# KiCad board haptic display 8x8 aisler.kicad_pcb (continued)
## Routing (per net, layer and track width the routed paths; a pad name or vN(x,y) marks a point on that pad's centre or on a via; arc(x,y) is an arc through that point) (continued)
col7: length 7424.1
  Front w0.15: 109.59,123.98 109.63,123.97 110,123.6 110,123.55 109.79,123.56 109.59,123.6 109.39,123.67 109.2,123.76 109.03,123.88 108.88,124.03 108.75,124.19 108.64,124.38 108.56,124.58 108.51,124.79 108.49,125 108.5,125.22 108.54,125.43 108.61,125.64 108.71,125.83 108.84,126.01 108.99,126.17 109.16,126.31 109.35,126.42 109.56,126.5 109.78,126.55 110,126.58 110.22,126.56 110.45,126.52 110.66,126.45 110.86,126.34 111.05,126.21 111.22,126.05 111.36,125.87 111.47,125.67 111.56,125.46 111.62,125.23 111.64,125 111.63,124.77 111.58,124.54 111.51,124.31 111.4,124.1 111.26,123.91 111.09,123.74 110.91,123.59 110.7,123.47 110.48,123.38 110.24,123.32 110,123.3 109.78,123.31 109.56,123.35 109.34,123.41 109.14,123.51 108.95,123.63 108.78,123.78 108.62,123.94 108.49,124.13 108.39,124.33 108.31,124.55 108.26,124.77 108.24,125 108.25,125.23 108.29,125.46 108.36,125.68 108.46,125.89 108.58,126.09 108.73,126.27 108.9,126.43 109.1,126.56 109.31,126.67 109.53,126.75 109.76,126.8 110,126.83 110.24,126.81 110.48,126.77 110.7,126.7 110.92,126.6 111.13,126.47 111.31,126.31 111.48,126.13 111.62,125.93 111.73,125.72 111.81,125.49 111.87,125.25 111.89,125 111.88,124.75 111.83,124.51 111.76,124.27 111.65,124.05 111.52,123.84 111.36,123.64 111.17,123.47 110.96,123.33 110.74,123.21 110.5,123.13 110.25,123.07 110,123.05 109.76,123.06 109.53,123.1 109.3,123.16 109.08,123.26 108.88,123.38 108.69,123.52 108.52,123.68 108.36,123.87 108.24,124.07 108.13,124.29 108.06,124.52 108.01,124.76 107.99,125 108,125.24 108.04,125.48 108.1,125.72 108.2,125.94 108.32,126.16 108.47,126.35 108.64,126.53 108.83,126.69 109.04,126.82 109.27,126.93 109.51,127.01 109.75,127.06 110,127.08 110.25,127.06 110.5,127.02 110.74,126.95 110.97,126.85 111.19,126.73 111.4,126.57 111.58,126.4 111.74,126.2 111.88,125.98 111.99,125.75 112.07,125.51 112.12,125.26 112.14,125 112.13,124.74 112.08,124.49 112.01,124.24 111.91,124 111.78,123.77 111.62,123.56 111.44,123.37 111.24,123.21 111.01,123.07 110.78,122.96 110.52,122.87 110.26,122.82 110,122.8 109.75,122.81 109.51,122.85 109.27,122.91 109.04,123 108.82,123.12 108.61,123.26 108.42,123.42 108.25,123.61 108.1,123.81 107.98,124.03 107.88,124.26 107.8,124.5 107.76,124.75 107.74,125 107.75,125.25 107.79,125.51 107.85,125.75 107.95,125.99 108.07,126.22 108.21,126.43 108.38,126.62 108.57,126.8 108.77,126.95 109,127.08 109.24,127.18 109.48,127.26 109.74,127.31 110,127.33 110.26,127.31 110.52,127.28 110.77,127.21 111.02,127.11 111.25,126.99 111.47,126.84 111.67,126.67 111.85,126.47 112,126.26 112.13,126.03 112.24,125.78 112.32,125.53 112.37,125.27 112.39,125 112.38,124.73 112.34,124.47 112.27,124.21 112.17,123.96 112.04,123.72 111.89,123.49 111.71,123.29 111.51,123.11 111.29,122.94 111.06,122.81 110.8,122.7 110.54,122.62 110.27,122.57 110,122.55 109.74,122.56 109.49,122.6 109.24,122.66 109,122.75 108.76,122.86 108.55,123 108.34,123.16 108.15,123.34 107.99,123.54 107.84,123.75 107.72,123.98 107.62,124.23 107.55,124.48 107.51,124.74 107.49,125 107.5,125.26 107.53,125.52 107.6,125.78 107.69,126.03 107.81,126.27 107.95,126.49 108.11,126.7 108.3,126.89 108.5,127.06 108.72,127.21 108.96,127.34 109.21,127.44 109.47,127.51 109.73,127.56 110,127.58 110.27,127.57 110.54,127.53 110.8,127.46 111.05,127.37 111.3,127.25 111.53,127.1 111.74,126.94 111.94,126.75 112.11,126.54 112.27,126.31 112.39,126.07 112.5,125.81 112.57,125.55 112.62,125.28 112.64,125 112.63,124.72 112.59,124.45 112.52,124.18 112.42,123.92 112.3,123.67 112.15,123.44 111.98,123.22 111.79,123.02 111.57,122.84 111.34,122.68 111.09,122.55 110.83,122.44 110.56,122.37 110.28,122.32 110,122.3 109.73,122.31 109.47,122.34 109.21,122.41 108.96,122.49 108.72,122.6 108.49,122.74 108.27,122.89 108.07,123.07 107.89,123.26 107.72,123.48 107.58,123.71 107.46,123.95 107.37,124.2 107.3,124.46 107.25,124.73 107.24,125 107.25,125.27 107.28,125.54 107.35,125.81 107.43,126.06 107.55,126.31 107.68,126.55 107.84,126.77 108.02,126.98 108.23,127.16 108.44,127.33 108.68,127.47 108.92,127.6 109.18,127.69 109.45,127.76 109.72,127.81 110,127.83 110.28,127.82 110.55,127.78 110.82,127.71 111.09,127.62 111.34,127.51 111.58,127.37 111.81,127.2 112.02,127.02 112.21,126.81 112.38,126.59 112.53,126.35 112.65,126.1 112.75,125.83 112.82,125.56 112.87,125.28 112.89,125 112.88,124.72 112.84,124.44 112.77,124.16 112.68,123.89 112.56,123.63 112.42,123.38 112.25,123.15 112.06,122.94 111.85,122.74 111.63,122.57 111.38,122.42 111.12,122.29 110.85,122.19 110.57,122.11 110.29,122.07 110,122.05 109.73,122.06 109.46,122.09 109.19,122.15 108.93,122.24 108.68,122.34 108.44,122.47 108.21,122.63 107.99,122.8 107.8,122.99 107.62,123.2 107.46,123.43 107.32,123.67 107.2,123.92 107.11,124.18 107.05,124.45 107,124.72 106.99,125 107,125.28 107.03,125.55 107.09,125.83 107.18,126.09 107.29,126.35 107.42,126.6 107.58,126.83 107.75,127.05 107.95,127.25 108.16,127.43 108.39,127.6 108.64,127.74 108.89,127.85 109.16,127.95 109.44,128.02 109.72,128.06 110,128.07 110.28,128.07 110.57,128.03 110.84,127.97 111.12,127.88 111.38,127.77 111.63,127.63 111.87,127.47 112.09,127.29 112.3,127.09 112.48,126.88 112.65,126.64 112.79,126.39 112.91,126.13 113.01,125.86 113.08,125.58 113.12,125.29 113.14,125 113.13,124.71 113.09,124.42 113.03,124.14 112.94,123.86 112.83,123.59 112.69,123.34 112.52,123.09 112.34,122.87 112.14,122.66 111.91,122.47 111.67,122.3 111.42,122.15 111.15,122.03 110.87,121.93 110.59,121.86 110.29,121.82 110,121.8 109.72,121.81 109.44,121.84 109.17,121.9 108.9,121.98 108.64,122.08 108.39,122.21 108.15,122.36 107.93,122.53 107.72,122.72 107.52,122.92 107.35,123.14 107.19,123.38 107.06,123.63 106.95,123.89 106.86,124.16 106.79,124.43 106.75,124.72 106.74,125 106.75,125.28 106.78,125.57 106.84,125.85 106.92,126.12 107.03,126.39 107.16,126.64 107.31,126.89 107.48,127.11 107.67,127.33 107.88,127.53 108.11,127.7 108.35,127.86 108.6,128 108.87,128.11 109.14,128.2 109.42,128.27 109.71,128.31 110,128.32 110.29,128.32 110.58,128.28 110.86,128.22 111.14,128.14 111.41,128.03 111.67,127.9 111.92,127.74 112.16,127.57 112.37,127.37 112.57,127.16 112.75,126.93 112.92,126.68 113.05,126.42 113.17,126.15 113.26,125.87 113.33,125.59 113.37,125.29 113.39,125 113.38,124.7 113.34,124.41 113.28,124.12 113.2,123.84 113.09,123.56 112.95,123.3 112.79,123.04 112.62,122.8 112.42,122.58 112.2,122.38 111.96,122.19 111.71,122.03 111.45,121.89 111.18,121.77 110.89,121.68 110.6,121.61 110.3,121.57 110,121.55 109.71,121.56 109.43,121.59 109.15,121.65 108.88,121.72 108.61,121.83 108.35,121.95 108.1,122.09 107.86,122.26 107.64,122.44 107.44,122.64 107.25,122.86 107.08,123.09 106.93,123.34 106.8,123.6 106.69,123.86 106.6,124.14 106.54,124.42 106.5,124.71 106.49,125 106.5,125.29 106.53,125.58 106.59,125.86 106.67,126.14 106.77,126.42 106.89,126.68 107.04,126.93 107.21,127.17 107.39,127.4 107.6,127.61 107.82,127.8 108.06,127.97 108.31,128.13 108.57,128.26 108.84,128.37 109.12,128.46 109.41,128.52 109.71,128.56 110,128.57 110.3,128.57 110.59,128.53 110.88,128.48 111.17,128.39 111.44,128.29 111.71,128.16 111.97,128.01 112.21,127.84 112.44,127.65 112.65,127.44 112.85,127.22 113.03,126.98 113.18,126.72 113.32,126.45 113.43,126.18 113.52,125.89 113.58,125.6 113.62,125.3 113.64,125 113.63,124.7 113.59,124.4 113.54,124.1 113.45,123.81 113.35,123.53 113.22,123.26 113.06,123 112.89,122.75 112.7,122.52 112.49,122.3 112.26,122.1 112.01,121.92 111.75,121.76 111.48,121.63 111.2,121.51 110.91,121.42 110.61,121.36 110.31,121.32 110,121.3 109.71,121.31 109.42,121.34 109.13,121.39 108.85,121.47 108.58,121.57 108.31,121.69 108.06,121.83 107.81,121.99 107.58,122.17 107.36,122.36 107.16,122.57 106.98,122.8 106.81,123.05 106.66,123.3 106.54,123.57 106.43,123.84 106.35,124.12 106.29,124.41 106.25,124.71 106.24,125 106.25,125.3 106.28,125.59 106.33,125.88 106.41,126.17 106.51,126.45 106.63,126.72 106.77,126.98 106.94,127.23 107.12,127.46 107.32,127.68 107.53,127.89 107.77,128.07 108.01,128.24 108.27,128.39 108.54,128.52 108.82,128.63 109.11,128.71 109.4,128.77 109.7,128.81 110,128.82 110.3,128.82 110.6,128.78 110.9,128.73 111.19,128.65 111.47,128.55 111.75,128.42 112.01,128.28 112.26,128.11 112.5,127.93 112.73,127.73 112.93,127.51 113.12,127.27 113.3,127.02 113.45,126.76 113.58,126.48 113.69,126.2 113.77,125.91 113.83,125.61 113.87,125.3 113.89,125 113.88,124.69 113.85,124.39 113.79,124.09 113.71,123.79 113.61,123.51 113.48,123.23 113.33,122.96 113.17,122.7 112.98,122.46 112.77,122.23 112.55,122.02 112.31,121.82 112.05,121.65 111.78,121.5 111.51,121.37 111.22,121.26 110.92,121.17 110.62,121.1 110.31,121.07 110,121.05 109.7,121.06 109.41,121.09 109.12,121.14 108.83,121.21 108.55,121.31 108.28,121.43 108.01,121.56 107.76,121.72 107.52,121.89 107.29,122.08 107.08,122.29 106.88,122.51 106.7,122.75 106.54,123 106.4,123.27 106.28,123.54 106.18,123.82 106.1,124.11 106.04,124.4 106,124.7 105.99,125 106,125.3 106.03,125.6 106.08,125.89 106.15,126.19 106.25,126.47 106.37,126.75 106.51,127.02 106.67,127.27 106.84,127.52 107.04,127.75 107.25,127.97 107.48,128.17 107.72,128.35 107.97,128.51 108.24,128.66 108.52,128.78 108.8,128.88 109.1,128.96 109.39,129.02 109.7,129.06 110,129.07 110.3,129.07 110.61,129.04 110.91,128.98 111.2,128.91 111.49,128.81 111.78,128.69 112.05,128.55 112.31,128.39 112.56,128.21 112.79,128.01 113.01,127.79 113.21,127.56 113.4,127.32 113.57,127.06 113.71,126.79 113.84,126.51 113.94,126.22 114.03,125.92 114.09,125.62 114.12,125.31 114.14,125 114.13,124.69 114.1,124.38 114.04,124.08 113.97,123.78 113.87,123.48 113.74,123.2 113.6,122.92 113.44,122.66 113.26,122.4 113.05,122.17 112.84,121.94 112.6,121.74 112.35,121.55 112.09,121.38 111.81,121.23 111.53,121.1 111.23,121 110.93,120.91 110.63,120.85 110.31,120.81 110,120.8 109.7,120.81 109.4,120.84 109.11,120.89 108.81,120.96 108.53,121.05 108.25,121.16 107.98,121.3 107.72,121.45 107.47,121.62 107.23,121.8 107.01,122.01 106.8,122.23 106.61,122.46 106.43,122.71 106.28,122.97 106.14,123.24 106.02,123.52 105.92,123.8 105.84,124.1 105.79,124.39 105.75,124.7 105.74,125 105.75,125.3 105.78,125.61 105.83,125.91 105.9,126.2 105.99,126.49 106.11,126.78 106.24,127.05 106.4,127.32 106.57,127.57 106.76,127.81 106.96,128.04 107.19,128.25 107.42,128.44 107.67,128.62 107.94,128.78 108.21,128.92 108.49,129.04 108.78,129.14 109.08,129.22 109.39,129.28 109.69,129.31 110,129.32 110.31,129.32 110.62,129.29 110.92,129.23 111.22,129.16 111.52,129.07 111.8,128.95 112.08,128.81 112.35,128.66 112.61,128.48 112.85,128.29 113.08,128.08 113.29,127.85 113.49,127.61 113.67,127.36 113.83,127.09 113.98,126.82 114.1,126.53 114.2,126.23 114.28,125.93 114.34,125.62 114.37,125.31 114.39,125 114.38,124.69 114.35,124.37 114.3,124.07 114.22,123.76 114.12,123.46 114.01,123.17 113.87,122.89 113.71,122.62 113.53,122.36 113.34,122.11 113.12,121.88 112.9,121.66 112.65,121.46 112.39,121.28 112.12,121.11 111.84,120.97 111.55,120.84 111.25,120.74 110.94,120.66 110.63,120.6 110.32,120.56 110,120.55 109.05,120.55 ; 109.59,108.98 109.63,108.97 110,108.6 110,108.55 109.79,108.56 109.59,108.6 109.39,108.67 109.2,108.76 109.03,108.88 108.88,109.03 108.75,109.19 108.64,109.38 108.56,109.58 108.51,109.79 108.49,110 108.5,110.22 108.54,110.43 108.61,110.64 108.71,110.83 108.84,111.01 108.99,111.17 109.16,111.31 109.35,111.42 109.56,111.5 109.78,111.55 110,111.58 110.22,111.56 110.45,111.52 110.66,111.45 110.86,111.34 111.05,111.21 111.22,111.05 111.36,110.87 111.47,110.67 111.56,110.46 111.62,110.23 111.64,110 111.63,109.77 111.58,109.54 111.51,109.31 111.4,109.1 111.26,108.91 111.09,108.74 110.91,108.59 110.7,108.47 110.48,108.38 110.24,108.32 110,108.3 109.78,108.31 109.56,108.35 109.34,108.41 109.14,108.51 108.95,108.63 108.78,108.78 108.62,108.94 108.49,109.13 108.39,109.33 108.31,109.55 108.26,109.77 108.24,110 108.25,110.23 108.29,110.46 108.36,110.68 108.46,110.89 108.58,111.09 108.73,111.27 108.9,111.43 109.1,111.56 109.31,111.67 109.53,111.75 109.76,111.8 110,111.83 110.24,111.81 110.48,111.77 110.7,111.7 110.92,111.6 111.13,111.47 111.31,111.31 111.48,111.13 111.62,110.93 111.73,110.72 111.81,110.49 111.87,110.25 111.89,110 111.88,109.75 111.83,109.51 111.76,109.27 111.65,109.05 111.52,108.84 111.36,108.64 111.17,108.47 110.96,108.33 110.74,108.21 110.5,108.13 110.25,108.07 110,108.05 109.76,108.06 109.53,108.1 109.3,108.16 109.08,108.26 108.88,108.38 108.69,108.52 108.52,108.68 108.36,108.87 108.24,109.07 108.13,109.29 108.06,109.52 108.01,109.76 107.99,110 108,110.24 108.04,110.48 108.1,110.72 108.2,110.94 108.32,111.16 108.47,111.35 108.64,111.53 108.83,111.69 109.04,111.82 109.27,111.93 109.51,112.01 109.75,112.06 110,112.08 110.25,112.06 110.5,112.02 110.74,111.95 110.97,111.85 111.19,111.73 111.4,111.57 111.58,111.4 111.74,111.2 111.88,110.98 111.99,110.75 112.07,110.51 112.12,110.26 112.14,110 112.13,109.74 112.08,109.49 112.01,109.24 111.91,109 111.78,108.77 111.62,108.56 111.44,108.37 111.24,108.21 111.01,108.07 110.78,107.96 110.52,107.87 110.26,107.82 110,107.8 109.75,107.81 109.51,107.85 109.27,107.91 109.04,108 108.82,108.12 108.61,108.26 108.42,108.42 108.25,108.61 108.1,108.81 107.98,109.03 107.88,109.26 107.8,109.5 107.76,109.75 107.74,110 107.75,110.25 107.79,110.51 107.85,110.75 107.95,110.99 108.07,111.22 108.21,111.43 108.38,111.62 108.57,111.8 108.77,111.95 109,112.08 109.24,112.18 109.48,112.26 109.74,112.31 110,112.33 110.26,112.31 110.52,112.28 110.77,112.21 111.02,112.11 111.25,111.99 111.47,111.84 111.67,111.67 111.85,111.47 112,111.26 112.13,111.03 112.24,110.78 112.32,110.53 112.37,110.27 112.39,110 112.38,109.73 112.34,109.47 112.27,109.21 112.17,108.96 112.04,108.72 111.89,108.49 111.71,108.29 111.51,108.11 111.29,107.94 111.06,107.81 110.8,107.7 110.54,107.62 110.27,107.57 110,107.55 109.74,107.56 109.49,107.6 109.24,107.66 109,107.75 108.76,107.86 108.55,108 108.34,108.16 108.15,108.34 107.99,108.54 107.84,108.75 107.72,108.98 107.62,109.23 107.55,109.48 107.51,109.74 107.49,110 107.5,110.26 107.53,110.52 107.6,110.78 107.69,111.03 107.81,111.27 107.95,111.49 108.11,111.7 108.3,111.89 108.5,112.06 108.72,112.21 108.96,112.34 109.21,112.44 109.47,112.51 109.73,112.56 110,112.58 110.27,112.57 110.54,112.53 110.8,112.46 111.05,112.37 111.3,112.25 111.53,112.1 111.74,111.94 111.94,111.75 112.11,111.54 112.27,111.31 112.39,111.07 112.5,110.81 112.57,110.55 112.62,110.28 112.64,110 112.63,109.72 112.59,109.45 112.52,109.18 112.42,108.92 112.3,108.67 112.15,108.44 111.98,108.22 111.79,108.02 111.57,107.84 111.34,107.68 111.09,107.55 110.83,107.44 110.56,107.37 110.28,107.32 110,107.3 109.73,107.31 109.47,107.34 109.21,107.41 108.96,107.49 108.72,107.6 108.49,107.74 108.27,107.89 108.07,108.07 107.89,108.26 107.72,108.48 107.58,108.71 107.46,108.95 107.37,109.2 107.3,109.46 107.25,109.73 107.24,110 107.25,110.27 107.28,110.54 107.35,110.81 107.43,111.06 107.55,111.31 107.68,111.55 107.84,111.77 108.02,111.98 108.23,112.16 108.44,112.33 108.68,112.47 108.92,112.6 109.18,112.69 109.45,112.76 109.72,112.81 110,112.83 110.28,112.82 110.55,112.78 110.82,112.71 111.09,112.62 111.34,112.51 111.58,112.37 111.81,112.2 112.02,112.02 112.21,111.81 112.38,111.59 112.53,111.35 112.65,111.1 112.75,110.83 112.82,110.56 112.87,110.28 112.89,110 112.88,109.72 112.84,109.44 112.77,109.16 112.68,108.89 112.56,108.63 112.42,108.38 112.25,108.15 112.06,107.94 111.85,107.74 111.63,107.57 111.38,107.42 111.12,107.29 110.85,107.19 110.57,107.11 110.29,107.07 110,107.05 109.73,107.06 109.46,107.09 109.19,107.15 108.93,107.24 108.68,107.34 108.44,107.47 108.21,107.63 107.99,107.8 107.8,107.99 107.62,108.2 107.46,108.43 107.32,108.67 107.2,108.92 107.11,109.18 107.05,109.45 107,109.72 106.99,110 107,110.28 107.03,110.55 107.09,110.83 107.18,111.09 107.29,111.35 107.42,111.6 107.58,111.83 107.75,112.05 107.95,112.25 108.16,112.43 108.39,112.6 108.64,112.74 108.89,112.85 109.16,112.95 109.44,113.02 109.72,113.06 110,113.08 110.28,113.07 110.57,113.03 110.84,112.97 111.12,112.88 111.38,112.77 111.63,112.63 111.87,112.47 112.09,112.29 112.3,112.09 112.48,111.88 112.65,111.64 112.79,111.39 112.91,111.13 113.01,110.86 113.08,110.58 113.12,110.29 113.14,110 113.13,109.71 113.09,109.42 113.03,109.14 112.94,108.86 112.83,108.59 112.69,108.34 112.52,108.09 112.34,107.87 112.14,107.66 111.91,107.47 111.67,107.3 111.42,107.15 111.15,107.03 110.87,106.93 110.59,106.86 110.29,106.82 110,106.8 109.72,106.81 109.44,106.84 109.17,106.9 108.9,106.98 108.64,107.08 108.39,107.21 108.15,107.36 107.93,107.53 107.72,107.72 107.52,107.92 107.35,108.14 107.19,108.38 107.06,108.63 106.95,108.89 106.86,109.16 106.79,109.43 106.75,109.72 106.74,110 106.75,110.28 106.78,110.57 106.84,110.85 106.92,111.12 107.03,111.39 107.16,111.64 107.31,111.89 107.48,112.11 107.67,112.33 107.88,112.53 108.11,112.7 108.35,112.86 108.6,113 108.87,113.11 109.14,113.2 109.42,113.27 109.71,113.31 110,113.33 110.29,113.32 110.58,113.28 110.86,113.22 111.14,113.14 111.41,113.03 111.67,112.9 111.92,112.74 112.16,112.57 112.37,112.37 112.57,112.16 112.75,111.93 112.92,111.68 113.05,111.42 113.17,111.15 113.26,110.87 113.33,110.59 113.37,110.29 113.39,110 113.38,109.7 113.34,109.41 113.28,109.12 113.2,108.84 113.09,108.56 112.95,108.3 112.79,108.04 112.62,107.8 112.42,107.58 112.2,107.38 111.96,107.19 111.71,107.03 111.45,106.89 111.18,106.77 110.89,106.68 110.6,106.61 110.3,106.57 110,106.55 109.71,106.56 109.43,106.59 109.15,106.65 108.88,106.72 108.61,106.83 108.35,106.95 108.1,107.09 107.86,107.26 107.64,107.44 107.44,107.64 107.25,107.86 107.08,108.09 106.93,108.34 106.8,108.6 106.69,108.86 106.6,109.14 106.54,109.42 106.5,109.71 106.49,110 106.5,110.29 106.53,110.58 106.59,110.86 106.67,111.14 106.77,111.42 106.89,111.68 107.04,111.93 107.21,112.17 107.39,112.4 107.6,112.61 107.82,112.8 108.06,112.97 108.31,113.13 108.57,113.26 108.84,113.37 109.12,113.46 109.41,113.52 109.71,113.56 110,113.58 110.3,113.57 110.59,113.53 110.88,113.48 111.17,113.39 111.44,113.29 111.71,113.16 111.97,113.01 112.21,112.84 112.44,112.65 112.65,112.44 112.85,112.22 113.03,111.98 113.18,111.72 113.32,111.45 113.43,111.18 113.52,110.89 113.58,110.6 113.62,110.3 113.64,110 113.63,109.7 113.59,109.4 113.54,109.1 113.45,108.81 113.35,108.53 113.22,108.26 113.06,108 112.89,107.75 112.7,107.52 112.49,107.3 112.26,107.1 112.01,106.92 111.75,106.76 111.48,106.63 111.2,106.51 110.91,106.42 110.61,106.36 110.31,106.32 110,106.3 109.71,106.31 109.42,106.34 109.13,106.39 108.85,106.47 108.58,106.57 108.31,106.69 108.06,106.83 107.81,106.99 107.58,107.17 107.36,107.36 107.16,107.57 106.98,107.8 106.81,108.05 106.66,108.3 106.54,108.57 106.43,108.84 106.35,109.12 106.29,109.41 106.25,109.71 106.24,110 106.25,110.3 106.28,110.59 106.33,110.88 106.41,111.17 106.51,111.45 106.63,111.72 106.77,111.98 106.94,112.23 107.12,112.46 107.32,112.68 107.53,112.89 107.77,113.07 108.01,113.24 108.27,113.39 108.54,113.52 108.82,113.63 109.11,113.71 109.4,113.77 109.7,113.81 110,113.83 110.3,113.82 110.6,113.78 110.9,113.73 111.19,113.65 111.47,113.55 111.75,113.42 112.01,113.28 112.26,113.11 112.5,112.93 112.73,112.73 112.93,112.51 113.12,112.27 113.3,112.02 113.45,111.76 113.58,111.48 113.69,111.2 113.77,110.91 113.83,110.61 113.87,110.3 113.89,110 113.88,109.69 113.85,109.39 113.79,109.09 113.71,108.79 113.61,108.51 113.48,108.23 113.33,107.96 113.17,107.7 112.98,107.46 112.77,107.23 112.55,107.02 112.31,106.82 112.05,106.65 111.78,106.5 111.51,106.37 111.22,106.26 110.92,106.17 110.62,106.1 110.31,106.07 110,106.05 109.7,106.06 109.41,106.09 109.12,106.14 108.83,106.21 108.55,106.31 108.28,106.43 108.01,106.56 107.76,106.72 107.52,106.89 107.29,107.08 107.08,107.29 106.88,107.51 106.7,107.75 106.54,108 106.4,108.27 106.28,108.54 106.18,108.82 106.1,109.11 106.04,109.4 106,109.7 105.99,110 106,110.3 106.03,110.6 106.08,110.89 106.15,111.19 106.25,111.47 106.37,111.75 106.51,112.02 106.67,112.27 106.84,112.52 107.04,112.75 107.25,112.97 107.48,113.17 107.72,113.35 107.97,113.51 108.24,113.66 108.52,113.78 108.8,113.88 109.1,113.96 109.39,114.02 109.7,114.06 110,114.08 110.3,114.07 110.61,114.04 110.91,113.98 111.2,113.91 111.49,113.81 111.78,113.69 112.05,113.55 112.31,113.39 112.56,113.21 112.79,113.01 113.01,112.79 113.21,112.56 113.4,112.32 113.57,112.06 113.71,111.79 113.84,111.51 113.94,111.22 114.03,110.92 114.09,110.62 114.12,110.31 114.14,110 114.13,109.69 114.1,109.38 114.04,109.08 113.97,108.78 113.87,108.48 113.74,108.2 113.6,107.92 113.44,107.66 113.26,107.4 113.05,107.17 112.84,106.94 112.6,106.74 112.35,106.55 112.09,106.38 111.81,106.23 111.53,106.1 111.23,106 110.93,105.91 110.63,105.85 110.31,105.81 110,105.8 109.7,105.81 109.4,105.84 109.11,105.89 108.81,105.96 108.53,106.05 108.25,106.16 107.98,106.3 107.72,106.45 107.47,106.62 107.23,106.8 107.01,107.01 106.8,107.23 106.61,107.46 106.43,107.71 106.28,107.97 106.14,108.24 106.02,108.52 105.92,108.8 105.84,109.1 105.79,109.39 105.75,109.7 105.74,110 105.75,110.3 105.78,110.61 105.83,110.91 105.9,111.2 105.99,111.49 106.11,111.78 106.24,112.05 106.4,112.32 106.57,112.57 106.76,112.81 106.96,113.04 107.19,113.25 107.42,113.44 107.67,113.62 107.94,113.78 108.21,113.92 108.49,114.04 108.78,114.14 109.08,114.22 109.39,114.28 109.69,114.31 110,114.33 110.31,114.32 110.62,114.29 110.92,114.23 111.22,114.16 111.52,114.07 111.8,113.95 112.08,113.81 112.35,113.66 112.61,113.48 112.85,113.29 113.08,113.08 113.29,112.85 113.49,112.61 113.67,112.36 113.83,112.09 113.98,111.82 114.1,111.53 114.2,111.23 114.28,110.93 114.34,110.62 114.37,110.31 114.39,110 114.38,109.69 114.35,109.37 114.3,109.07 114.22,108.76 114.12,108.46 114.01,108.17 113.87,107.89 113.71,107.62 113.53,107.36 113.34,107.11 113.12,106.88 112.9,106.66 112.65,106.46 112.39,106.28 112.12,106.11 111.84,105.97 111.55,105.84 111.25,105.74 110.94,105.66 110.63,105.6 110.32,105.56 110,105.55 109.05,105.55 ; 109.59,93.98 109.63,93.97 110,93.6 110,93.55 109.79,93.56 109.59,93.6 109.39,93.67 109.2,93.76 109.03,93.88 108.88,94.03 108.75,94.19 108.64,94.38 108.56,94.58 108.51,94.79 108.49,95 108.5,95.22 108.54,95.43 108.61,95.64 108.71,95.83 108.84,96.01 108.99,96.17 109.16,96.31 109.35,96.42 109.56,96.5 109.78,96.55 110,96.58 110.22,96.56 110.45,96.52 110.66,96.45 110.86,96.34 111.05,96.21 111.22,96.05 111.36,95.87 111.47,95.67 111.56,95.46 111.62,95.23 111.64,95 111.63,94.77 111.58,94.54 111.51,94.31 111.4,94.1 111.26,93.91 111.09,93.74 110.91,93.59 110.7,93.47 110.48,93.38 110.24,93.32 110,93.3 109.78,93.31 109.56,93.35 109.34,93.41 109.14,93.51 108.95,93.63 108.78,93.78 108.62,93.94 108.49,94.13 108.39,94.33 108.31,94.55 108.26,94.77 108.24,95 108.25,95.23 108.29,95.46 108.36,95.68 108.46,95.89 108.58,96.09 108.73,96.27 108.9,96.43 109.1,96.56 109.31,96.67 109.53,96.75 109.76,96.8 110,96.83 110.24,96.81 110.48,96.77 110.7,96.7 110.92,96.6 111.13,96.47 111.31,96.31 111.48,96.13 111.62,95.93 111.73,95.72 111.81,95.49 111.87,95.25 111.89,95 111.88,94.75 111.83,94.51 111.76,94.27 111.65,94.05 111.52,93.84 111.36,93.64 111.17,93.47 110.96,93.33 110.74,93.21 110.5,93.13 110.25,93.07 110,93.05 109.76,93.06 109.53,93.1 109.3,93.16 109.08,93.26 108.88,93.38 108.69,93.52 108.52,93.68 108.36,93.87 108.24,94.07 108.13,94.29 108.06,94.52 108.01,94.76 107.99,95 108,95.24 108.04,95.48 108.1,95.72 108.2,95.94 108.32,96.16 108.47,96.35 108.64,96.53 108.83,96.69 109.04,96.82 109.27,96.93 109.51,97.01 109.75,97.06 110,97.08 110.25,97.06 110.5,97.02 110.74,96.95 110.97,96.85 111.19,96.73 111.4,96.57 111.58,96.4 111.74,96.2 111.88,95.98 111.99,95.75 112.07,95.51 112.12,95.26 112.14,95 112.13,94.74 112.08,94.49 112.01,94.24 111.91,94 111.78,93.77 111.62,93.56 111.44,93.37 111.24,93.21 111.01,93.07 110.78,92.96 110.52,92.87 110.26,92.82 110,92.8 109.75,92.81 109.51,92.85 109.27,92.91 109.04,93 108.82,93.12 108.61,93.26 108.42,93.42 108.25,93.61 108.1,93.81 107.98,94.03 107.88,94.26 107.8,94.5 107.76,94.75 107.74,95 107.75,95.25 107.79,95.51 107.85,95.75 107.95,95.99 108.07,96.22 108.21,96.43 108.38,96.62 108.57,96.8 108.77,96.95 109,97.08 109.24,97.18 109.48,97.26 109.74,97.31 110,97.33 110.26,97.31 110.52,97.28 110.77,97.21 111.02,97.11 111.25,96.99 111.47,96.84 111.67,96.67 111.85,96.47 112,96.26 112.13,96.03 112.24,95.78 112.32,95.53 112.37,95.27 112.39,95 112.38,94.73 112.34,94.47 112.27,94.21 112.17,93.96 112.04,93.72 111.89,93.49 111.71,93.29 111.51,93.11 111.29,92.94 111.06,92.81 110.8,92.7 110.54,92.62 110.27,92.57 110,92.55 109.74,92.56 109.49,92.6 109.24,92.66 109,92.75 108.76,92.86 108.55,93 108.34,93.16 108.15,93.34 107.99,93.54 107.84,93.75 107.72,93.98 107.62,94.23 107.55,94.48 107.51,94.74 107.49,95 107.5,95.26 107.53,95.52 107.6,95.78 107.69,96.03 107.81,96.27 107.95,96.49 108.11,96.7 108.3,96.89 108.5,97.06 108.72,97.21 108.96,97.34 109.21,97.44 109.47,97.51 109.73,97.56 110,97.58 110.27,97.57 110.54,97.53 110.8,97.46 111.05,97.37 111.3,97.25 111.53,97.1 111.74,96.94 111.94,96.75 112.11,96.54 112.27,96.31 112.39,96.07 112.5,95.81 112.57,95.55 112.62,95.28 112.64,95 112.63,94.72 112.59,94.45 112.52,94.18 112.42,93.92 112.3,93.67 112.15,93.44 111.98,93.22 111.79,93.02 111.57,92.84 111.34,92.68 111.09,92.55 110.83,92.44 110.56,92.37 110.28,92.32 110,92.3 109.73,92.31 109.47,92.34 109.21,92.41 108.96,92.49 108.72,92.6 108.49,92.74 108.27,92.89 108.07,93.07 107.89,93.26 107.72,93.48 107.58,93.71 107.46,93.95 107.37,94.2 107.3,94.46 107.25,94.73 107.24,95 107.25,95.27 107.28,95.54 107.35,95.81 107.43,96.06 107.55,96.31 107.68,96.55 107.84,96.77 108.02,96.98 108.23,97.16 108.44,97.33 108.68,97.47 108.92,97.6 109.18,97.69 109.45,97.76 109.72,97.81 110,97.83 110.28,97.82 110.55,97.78 110.82,97.71 111.09,97.62 111.34,97.51 111.58,97.37 111.81,97.2 112.02,97.02 112.21,96.81 112.38,96.59 112.53,96.35 112.65,96.1 112.75,95.83 112.82,95.56 112.87,95.28 112.89,95 112.88,94.72 112.84,94.44 112.77,94.16 112.68,93.89 112.56,93.63 112.42,93.38 112.25,93.15 112.06,92.94 111.85,92.74 111.63,92.57 111.38,92.42 111.12,92.29 110.85,92.19 110.57,92.11 110.29,92.07 110,92.05 109.73,92.06 109.46,92.09 109.19,92.15 108.93,92.24 108.68,92.34 108.44,92.47 108.21,92.63 107.99,92.8 107.8,92.99 107.62,93.2 107.46,93.43 107.32,93.67 107.2,93.92 107.11,94.18 107.05,94.45 107,94.72 106.99,95 107,95.28 107.03,95.55 107.09,95.83 107.18,96.09 107.29,96.35 107.42,96.6 107.58,96.83 107.75,97.05 107.95,97.25 108.16,97.43 108.39,97.6 108.64,97.74 108.89,97.85 109.16,97.95 109.44,98.02 109.72,98.06 110,98.08 110.28,98.07 110.57,98.03 110.84,97.97 111.12,97.88 111.38,97.77 111.63,97.63 111.87,97.47 112.09,97.29 112.3,97.09 112.48,96.88 112.65,96.64 112.79,96.39 112.91,96.13 113.01,95.86 113.08,95.58 113.12,95.29 113.14,95 113.13,94.71 113.09,94.42 113.03,94.14 112.94,93.86 112.83,93.59 112.69,93.34 112.52,93.09 112.34,92.87 112.14,92.66 111.91,92.47 111.67,92.3 111.42,92.15 111.15,92.03 110.87,91.93 110.59,91.86 110.29,91.82 110,91.8 109.72,91.81 109.44,91.84 109.17,91.9 108.9,91.98 108.64,92.08 108.39,92.21 108.15,92.36 107.93,92.53 107.72,92.72 107.52,92.92 107.35,93.14 107.19,93.38 107.06,93.63 106.95,93.89 106.86,94.16 106.79,94.43 106.75,94.72 106.74,95 106.75,95.28 106.78,95.57 106.84,95.85 106.92,96.12 107.03,96.39 107.16,96.64 107.31,96.89 107.48,97.11 107.67,97.33 107.88,97.53 108.11,97.7 108.35,97.86 108.6,98 108.87,98.11 109.14,98.2 109.42,98.27 109.71,98.31 110,98.33 110.29,98.32 110.58,98.28 110.86,98.22 111.14,98.14 111.41,98.03 111.67,97.9 111.92,97.74 112.16,97.57 112.37,97.37 112.57,97.16 112.75,96.93 112.92,96.68 113.05,96.42 113.17,96.15 113.26,95.87 113.33,95.59 113.37,95.29 113.39,95 113.38,94.7 113.34,94.41 113.28,94.12 113.2,93.84 113.09,93.56 112.95,93.3 112.79,93.04 112.62,92.8 112.42,92.58 112.2,92.38 111.96,92.19 111.71,92.03 111.45,91.89 111.18,91.77 110.89,91.68 110.6,91.61 110.3,91.57 110,91.55 109.71,91.56 109.43,91.59 109.15,91.65 108.88,91.72 108.61,91.83 108.35,91.95 108.1,92.09 107.86,92.26 107.64,92.44 107.44,92.64 107.25,92.86 107.08,93.09 106.93,93.34 106.8,93.6 106.69,93.86 106.6,94.14 106.54,94.42 106.5,94.71 106.49,95 106.5,95.29 106.53,95.58 106.59,95.86 106.67,96.14 106.77,96.42 106.89,96.68 107.04,96.93 107.21,97.17 107.39,97.4 107.6,97.61 107.82,97.8 108.06,97.97 108.31,98.13 108.57,98.26 108.84,98.37 109.12,98.46 109.41,98.52 109.71,98.56 110,98.58 110.3,98.57 110.59,98.53 110.88,98.48 111.17,98.39 111.44,98.29 111.71,98.16 111.97,98.01 112.21,97.84 112.44,97.65 112.65,97.44 112.85,97.22 113.03,96.98 113.18,96.72 113.32,96.45 113.43,96.18 113.52,95.89 113.58,95.6 113.62,95.3 113.64,95 113.63,94.7 113.59,94.4 113.54,94.1 113.45,93.81 113.35,93.53 113.22,93.26 113.06,93 112.89,92.75 112.7,92.52 112.49,92.3 112.26,92.1 112.01,91.92 111.75,91.76 111.48,91.63 111.2,91.51 110.91,91.42 110.61,91.36 110.31,91.32 110,91.3 109.71,91.31 109.42,91.34 109.13,91.39 108.85,91.47 108.58,91.57 108.31,91.69 108.06,91.83 107.81,91.99 107.58,92.17 107.36,92.36 107.16,92.57 106.98,92.8 106.81,93.05 106.66,93.3 106.54,93.57 106.43,93.84 106.35,94.12 106.29,94.41 106.25,94.71 106.24,95 106.25,95.3 106.28,95.59 106.33,95.88 106.41,96.17 106.51,96.45 106.63,96.72 106.77,96.98 106.94,97.23 107.12,97.46 107.32,97.68 107.53,97.89 107.77,98.07 108.01,98.24 108.27,98.39 108.54,98.52 108.82,98.63 109.11,98.71 109.4,98.77 109.7,98.81 110,98.83 110.3,98.82 110.6,98.78 110.9,98.73 111.19,98.65 111.47,98.55 111.75,98.42 112.01,98.28 112.26,98.11 112.5,97.93 112.73,97.73 112.93,97.51 113.12,97.27 113.3,97.02 113.45,96.76 113.58,96.48 113.69,96.2 113.77,95.91 113.83,95.61 113.87,95.3 113.89,95 113.88,94.69 113.85,94.39 113.79,94.09 113.71,93.79 113.61,93.51 113.48,93.23 113.33,92.96 113.17,92.7 112.98,92.46 112.77,92.23 112.55,92.02 112.31,91.82 112.05,91.65 111.78,91.5 111.51,91.37 111.22,91.26 110.92,91.17 110.62,91.1 110.31,91.07 110,91.05 109.7,91.06 109.41,91.09 109.12,91.14 108.83,91.21 108.55,91.31 108.28,91.43 108.01,91.56 107.76,91.72 107.52,91.89 107.29,92.08 107.08,92.29 106.88,92.51 106.7,92.75 106.54,93 106.4,93.27 106.28,93.54 106.18,93.82 106.1,94.11 106.04,94.4 106,94.7 105.99,95 106,95.3 106.03,95.6 106.08,95.89 106.15,96.19 106.25,96.47 106.37,96.75 106.51,97.02 106.67,97.27 106.84,97.52 107.04,97.75 107.25,97.97 107.48,98.17 107.72,98.35 107.97,98.51 108.24,98.66 108.52,98.78 108.8,98.88 109.1,98.96 109.39,99.02 109.7,99.06 110,99.08 110.3,99.07 110.61,99.04 110.91,98.98 111.2,98.91 111.49,98.81 111.78,98.69 112.05,98.55 112.31,98.39 112.56,98.21 112.79,98.01 113.01,97.79 113.21,97.56 113.4,97.32 113.57,97.06 113.71,96.79 113.84,96.51 113.94,96.22 114.03,95.92 114.09,95.62 114.12,95.31 114.14,95 114.13,94.69 114.1,94.38 114.04,94.08 113.97,93.78 113.87,93.48 113.74,93.2 113.6,92.92 113.44,92.66 113.26,92.4 113.05,92.17 112.84,91.94 112.6,91.74 112.35,91.55 112.09,91.38 111.81,91.23 111.53,91.1 111.23,91 110.93,90.91 110.63,90.85 110.31,90.81 110,90.8 109.7,90.81 109.4,90.84 109.11,90.89 108.81,90.96 108.53,91.05 108.25,91.16 107.98,91.3 107.72,91.45 107.47,91.62 107.23,91.8 107.01,92.01 106.8,92.23 106.61,92.46 106.43,92.71 106.28,92.97 106.14,93.24 106.02,93.52 105.92,93.8 105.84,94.1 105.79,94.39 105.75,94.7 105.74,95 105.75,95.3 105.78,95.61 105.83,95.91 105.9,96.2 105.99,96.49 106.11,96.78 106.24,97.05 106.4,97.32 106.57,97.57 106.76,97.81 106.96,98.04 107.19,98.25 107.42,98.44 107.67,98.62 107.94,98.78 108.21,98.92 108.49,99.04 108.78,99.14 109.08,99.22 109.39,99.28 109.69,99.31 110,99.33 110.31,99.32 110.62,99.29 110.92,99.23 111.22,99.16 111.52,99.07 111.8,98.95 112.08,98.81 112.35,98.66 112.61,98.48 112.85,98.29 113.08,98.08 113.29,97.85 113.49,97.61 113.67,97.36 113.83,97.09 113.98,96.82 114.1,96.53 114.2,96.23 114.28,95.93 114.34,95.62 114.37,95.31 114.39,95 114.38,94.69 114.35,94.37 114.3,94.07 114.22,93.76 114.12,93.46 114.01,93.17 113.87,92.89 113.71,92.62 113.53,92.36 113.34,92.11 113.12,91.88 112.9,91.66 112.65,91.46 112.39,91.28 112.12,91.11 111.84,90.97 111.55,90.84 111.25,90.74 110.94,90.66 110.63,90.6 110.32,90.56 110,90.55 109.05,90.55 ; 109.59,78.98 109.63,78.97 110,78.6 110,78.55 109.79,78.56 109.59,78.6 109.39,78.67 109.2,78.76 109.03,78.88 108.88,79.03 108.75,79.19 108.64,79.38 108.56,79.58 108.51,79.79 108.49,80 108.5,80.22 108.54,80.43 108.61,80.64 108.71,80.83 108.84,81.01 108.99,81.17 109.16,81.31 109.35,81.42 109.56,81.5 109.78,81.55 110,81.58 110.22,81.56 110.45,81.52 110.66,81.45 110.86,81.34 111.05,81.21 111.22,81.05 111.36,80.87 111.47,80.67 111.56,80.46 111.62,80.23 111.64,80 111.63,79.77 111.58,79.54 111.51,79.31 111.4,79.1 111.26,78.91 111.09,78.74 110.91,78.59 110.7,78.47 110.48,78.38 110.24,78.32 110,78.3 109.78,78.31 109.56,78.35 109.34,78.41 109.14,78.51 108.95,78.63 108.78,78.78 108.62,78.94 108.49,79.13 108.39,79.33 108.31,79.55 108.26,79.77 108.24,80 108.25,80.23 108.29,80.46 108.36,80.68 108.46,80.89 108.58,81.09 108.73,81.27 108.9,81.43 109.1,81.56 109.31,81.67 109.53,81.75 109.76,81.8 110,81.83 110.24,81.81 110.48,81.77 110.7,81.7 110.92,81.6 111.13,81.47 111.31,81.31 111.48,81.13 111.62,80.93 111.73,80.72 111.81,80.49 111.87,80.25 111.89,80 111.88,79.75 111.83,79.51 111.76,79.27 111.65,79.05 111.52,78.84 111.36,78.64 111.17,78.47 110.96,78.33 110.74,78.21 110.5,78.13 110.25,78.07 110,78.05 109.76,78.06 109.53,78.1 109.3,78.16 109.08,78.26 108.88,78.38 108.69,78.52 108.52,78.68 108.36,78.87 108.24,79.07 108.13,79.29 108.06,79.52 108.01,79.76 107.99,80 108,80.24 108.04,80.48 108.1,80.72 108.2,80.94 108.32,81.16 108.47,81.35 108.64,81.53 108.83,81.69 109.04,81.82 109.27,81.93 109.51,82.01 109.75,82.06 110,82.08 110.25,82.06 110.5,82.02 110.74,81.95 110.97,81.85 111.19,81.73 111.4,81.57 111.58,81.4 111.74,81.2 111.88,80.98 111.99,80.75 112.07,80.51 112.12,80.26 112.14,80 112.13,79.74 112.08,79.49 112.01,79.24 111.91,79 111.78,78.77 111.62,78.56 111.44,78.37 111.24,78.21 111.01,78.07 110.78,77.96 110.52,77.87 110.26,77.82 110,77.8 109.75,77.81 109.51,77.85 109.27,77.91 109.04,78 108.82,78.12 108.61,78.26 108.42,78.42 108.25,78.61 108.1,78.81 107.98,79.03 107.88,79.26 107.8,79.5 107.76,79.75 107.74,80 107.75,80.25 107.79,80.51 107.85,80.75 107.95,80.99 108.07,81.22 108.21,81.43 108.38,81.62 108.57,81.8 108.77,81.95 109,82.08 109.24,82.18 109.48,82.26 109.74,82.31 110,82.33 110.26,82.31 110.52,82.28 110.77,82.21 111.02,82.11 111.25,81.99 111.47,81.84 111.67,81.67 111.85,81.47 112,81.26 112.13,81.03 112.24,80.78 112.32,80.53 112.37,80.27 112.39,80 112.38,79.73 112.34,79.47 112.27,79.21 112.17,78.96 112.04,78.72 111.89,78.49 111.71,78.29 111.51,78.11 111.29,77.94 111.06,77.81 110.8,77.7 110.54,77.62 110.27,77.57 110,77.55 109.74,77.56 109.49,77.6 109.24,77.66 109,77.75 108.76,77.86 108.55,78 108.34,78.16 108.15,78.34 107.99,78.54 107.84,78.75 107.72,78.98 107.62,79.23 107.55,79.48 107.51,79.74 107.49,80 107.5,80.26 107.53,80.52 107.6,80.78 107.69,81.03 107.81,81.27 107.95,81.49 108.11,81.7 108.3,81.89 108.5,82.06 108.72,82.21 108.96,82.34 109.21,82.44 109.47,82.51 109.73,82.56 110,82.58 110.27,82.57 110.54,82.53 110.8,82.46 111.05,82.37 111.3,82.25 111.53,82.1 111.74,81.94 111.94,81.75 112.11,81.54 112.27,81.31 112.39,81.07 112.5,80.81 112.57,80.55 112.62,80.28 112.64,80 112.63,79.72 112.59,79.45 112.52,79.18 112.42,78.92 112.3,78.67 112.15,78.44 111.98,78.22 111.79,78.02 111.57,77.84 111.34,77.68 111.09,77.55 110.83,77.44 110.56,77.37 110.28,77.32 110,77.3 109.73,77.31 109.47,77.34 109.21,77.41 108.96,77.49 108.72,77.6 108.49,77.74 108.27,77.89 108.07,78.07 107.89,78.26 107.72,78.48 107.58,78.71 107.46,78.95 107.37,79.2 107.3,79.46 107.25,79.73 107.24,80 107.25,80.27 107.28,80.54 107.35,80.81 107.43,81.06 107.55,81.31 107.68,81.55 107.84,81.77 108.02,81.98 108.23,82.16 108.44,82.33 108.68,82.47 108.92,82.6 109.18,82.69 109.45,82.76 109.72,82.81 110,82.83 110.28,82.82 110.55,82.78 110.82,82.71 111.09,82.62 111.34,82.51 111.58,82.37 111.81,82.2 112.02,82.02 112.21,81.81 112.38,81.59 112.53,81.35 112.65,81.1 112.75,80.83 112.82,80.56 112.87,80.28 112.89,80 112.88,79.72 112.84,79.44 112.77,79.16 112.68,78.89 112.56,78.63 112.42,78.38 112.25,78.15 112.06,77.94 111.85,77.74 111.63,77.57 111.38,77.42 111.12,77.29 110.85,77.19 110.57,77.11 110.29,77.07 110,77.05 109.73,77.06 109.46,77.09 109.19,77.15 108.93,77.24 108.68,77.34 108.44,77.47 108.21,77.63 107.99,77.8 107.8,77.99 107.62,78.2 107.46,78.43 107.32,78.67 107.2,78.92 107.11,79.18 107.05,79.45 107,79.72 106.99,80 107,80.28 107.03,80.55 107.09,80.83 107.18,81.09 107.29,81.35 107.42,81.6 107.58,81.83 107.75,82.05 107.95,82.25 108.16,82.43 108.39,82.6 108.64,82.74 108.89,82.85 109.16,82.95 109.44,83.02 109.72,83.06 110,83.08 110.28,83.07 110.57,83.03 110.84,82.97 111.12,82.88 111.38,82.77 111.63,82.63 111.87,82.47 112.09,82.29 112.3,82.09 112.48,81.88 112.65,81.64 112.79,81.39 112.91,81.13 113.01,80.86 113.08,80.58 113.12,80.29 113.14,80 113.13,79.71 113.09,79.42 113.03,79.14 112.94,78.86 112.83,78.59 112.69,78.34 112.52,78.09 112.34,77.87 112.14,77.66 111.91,77.47 111.67,77.3 111.42,77.15 111.15,77.03 110.87,76.93 110.59,76.86 110.29,76.82 110,76.8 109.72,76.81 109.44,76.84 109.17,76.9 108.9,76.98 108.64,77.08 108.39,77.21 108.15,77.36 107.93,77.53 107.72,77.72 107.52,77.92 107.35,78.14 107.19,78.38 107.06,78.63 106.95,78.89 106.86,79.16 106.79,79.43 106.75,79.72 106.74,80 106.75,80.28 106.78,80.57 106.84,80.85 106.92,81.12 107.03,81.39 107.16,81.64 107.31,81.89 107.48,82.11 107.67,82.33 107.88,82.53 108.11,82.7 108.35,82.86 108.6,83 108.87,83.11 109.14,83.2 109.42,83.27 109.71,83.31 110,83.33 110.29,83.32 110.58,83.28 110.86,83.22 111.14,83.14 111.41,83.03 111.67,82.9 111.92,82.74 112.16,82.57 112.37,82.37 112.57,82.16 112.75,81.93 112.92,81.68 113.05,81.42 113.17,81.15 113.26,80.87 113.33,80.59 113.37,80.29 113.39,80 113.38,79.7 113.34,79.41 113.28,79.12 113.2,78.84 113.09,78.56 112.95,78.3 112.79,78.04 112.62,77.8 112.42,77.58 112.2,77.38 111.96,77.19 111.71,77.03 111.45,76.89 111.18,76.77 110.89,76.68 110.6,76.61 110.3,76.57 110,76.55 109.71,76.56 109.43,76.59 109.15,76.65 108.88,76.72 108.61,76.83 108.35,76.95 108.1,77.09 107.86,77.26 107.64,77.44 107.44,77.64 107.25,77.86 107.08,78.09 106.93,78.34 106.8,78.6 106.69,78.86 106.6,79.14 106.54,79.42 106.5,79.71 106.49,80 106.5,80.29 106.53,80.58 106.59,80.86 106.67,81.14 106.77,81.42 106.89,81.68 107.04,81.93 107.21,82.17 107.39,82.4 107.6,82.61 107.82,82.8 108.06,82.97 108.31,83.13 108.57,83.26 108.84,83.37 109.12,83.46 109.41,83.52 109.71,83.56 110,83.58 110.3,83.57 110.59,83.53 110.88,83.48 111.17,83.39 111.44,83.29 111.71,83.16 111.97,83.01 112.21,82.84 112.44,82.65 112.65,82.44 112.85,82.22 113.03,81.98 113.18,81.72 113.32,81.45 113.43,81.18 113.52,80.89 113.58,80.6 113.62,80.3 113.64,80 113.63,79.7 113.59,79.4 113.54,79.1 113.45,78.81 113.35,78.53 113.22,78.26 113.06,78 112.89,77.75 112.7,77.52 112.49,77.3 112.26,77.1 112.01,76.92 111.75,76.76 111.48,76.63 111.2,76.51 110.91,76.42 110.61,76.36 110.31,76.32 110,76.3 109.71,76.31 109.42,76.34 109.13,76.39 108.85,76.47 108.58,76.57 108.31,76.69 108.06,76.83 107.81,76.99 107.58,77.17 107.36,77.36 107.16,77.57 106.98,77.8 106.81,78.05 106.66,78.3 106.54,78.57 106.43,78.84 106.35,79.12 106.29,79.41 106.25,79.71 106.24,80 106.25,80.3 106.28,80.59 106.33,80.88 106.41,81.17 106.51,81.45 106.63,81.72 106.77,81.98 106.94,82.23 107.12,82.46 107.32,82.68 107.53,82.89 107.77,83.07 108.01,83.24 108.27,83.39 108.54,83.52 108.82,83.63 109.11,83.71 109.4,83.77 109.7,83.81 110,83.83 110.3,83.82 110.6,83.78 110.9,83.73 111.19,83.65 111.47,83.55 111.75,83.42 112.01,83.28 112.26,83.11 112.5,82.93 112.73,82.73 112.93,82.51 113.12,82.27 113.3,82.02 113.45,81.76 113.58,81.48 113.69,81.2 113.77,80.91 113.83,80.61 113.87,80.3 113.89,80 113.88,79.69 113.85,79.39 113.79,79.09 113.71,78.79 113.61,78.51 113.48,78.23 113.33,77.96 113.17,77.7 112.98,77.46 112.77,77.23 112.55,77.02 112.31,76.82 112.05,76.65 111.78,76.5 111.51,76.37 111.22,76.26 110.92,76.17 110.62,76.1 110.31,76.07 110,76.05 109.7,76.06 109.41,76.09 109.12,76.14 108.83,76.21 108.55,76.31 108.28,76.43 108.01,76.56 107.76,76.72 107.52,76.89 107.29,77.08 107.08,77.29 106.88,77.51 106.7,77.75 106.54,78 106.4,78.27 106.28,78.54 106.18,78.82 106.1,79.11 106.04,79.4 106,79.7 105.99,80 106,80.3 106.03,80.6 106.08,80.89 106.15,81.19 106.25,81.47 106.37,81.75 106.51,82.02 106.67,82.27 106.84,82.52 107.04,82.75 107.25,82.97 107.48,83.17 107.72,83.35 107.97,83.51 108.24,83.66 108.52,83.78 108.8,83.88 109.1,83.96 